# KiCad board oculink-dgff-7540.kicad_pcb
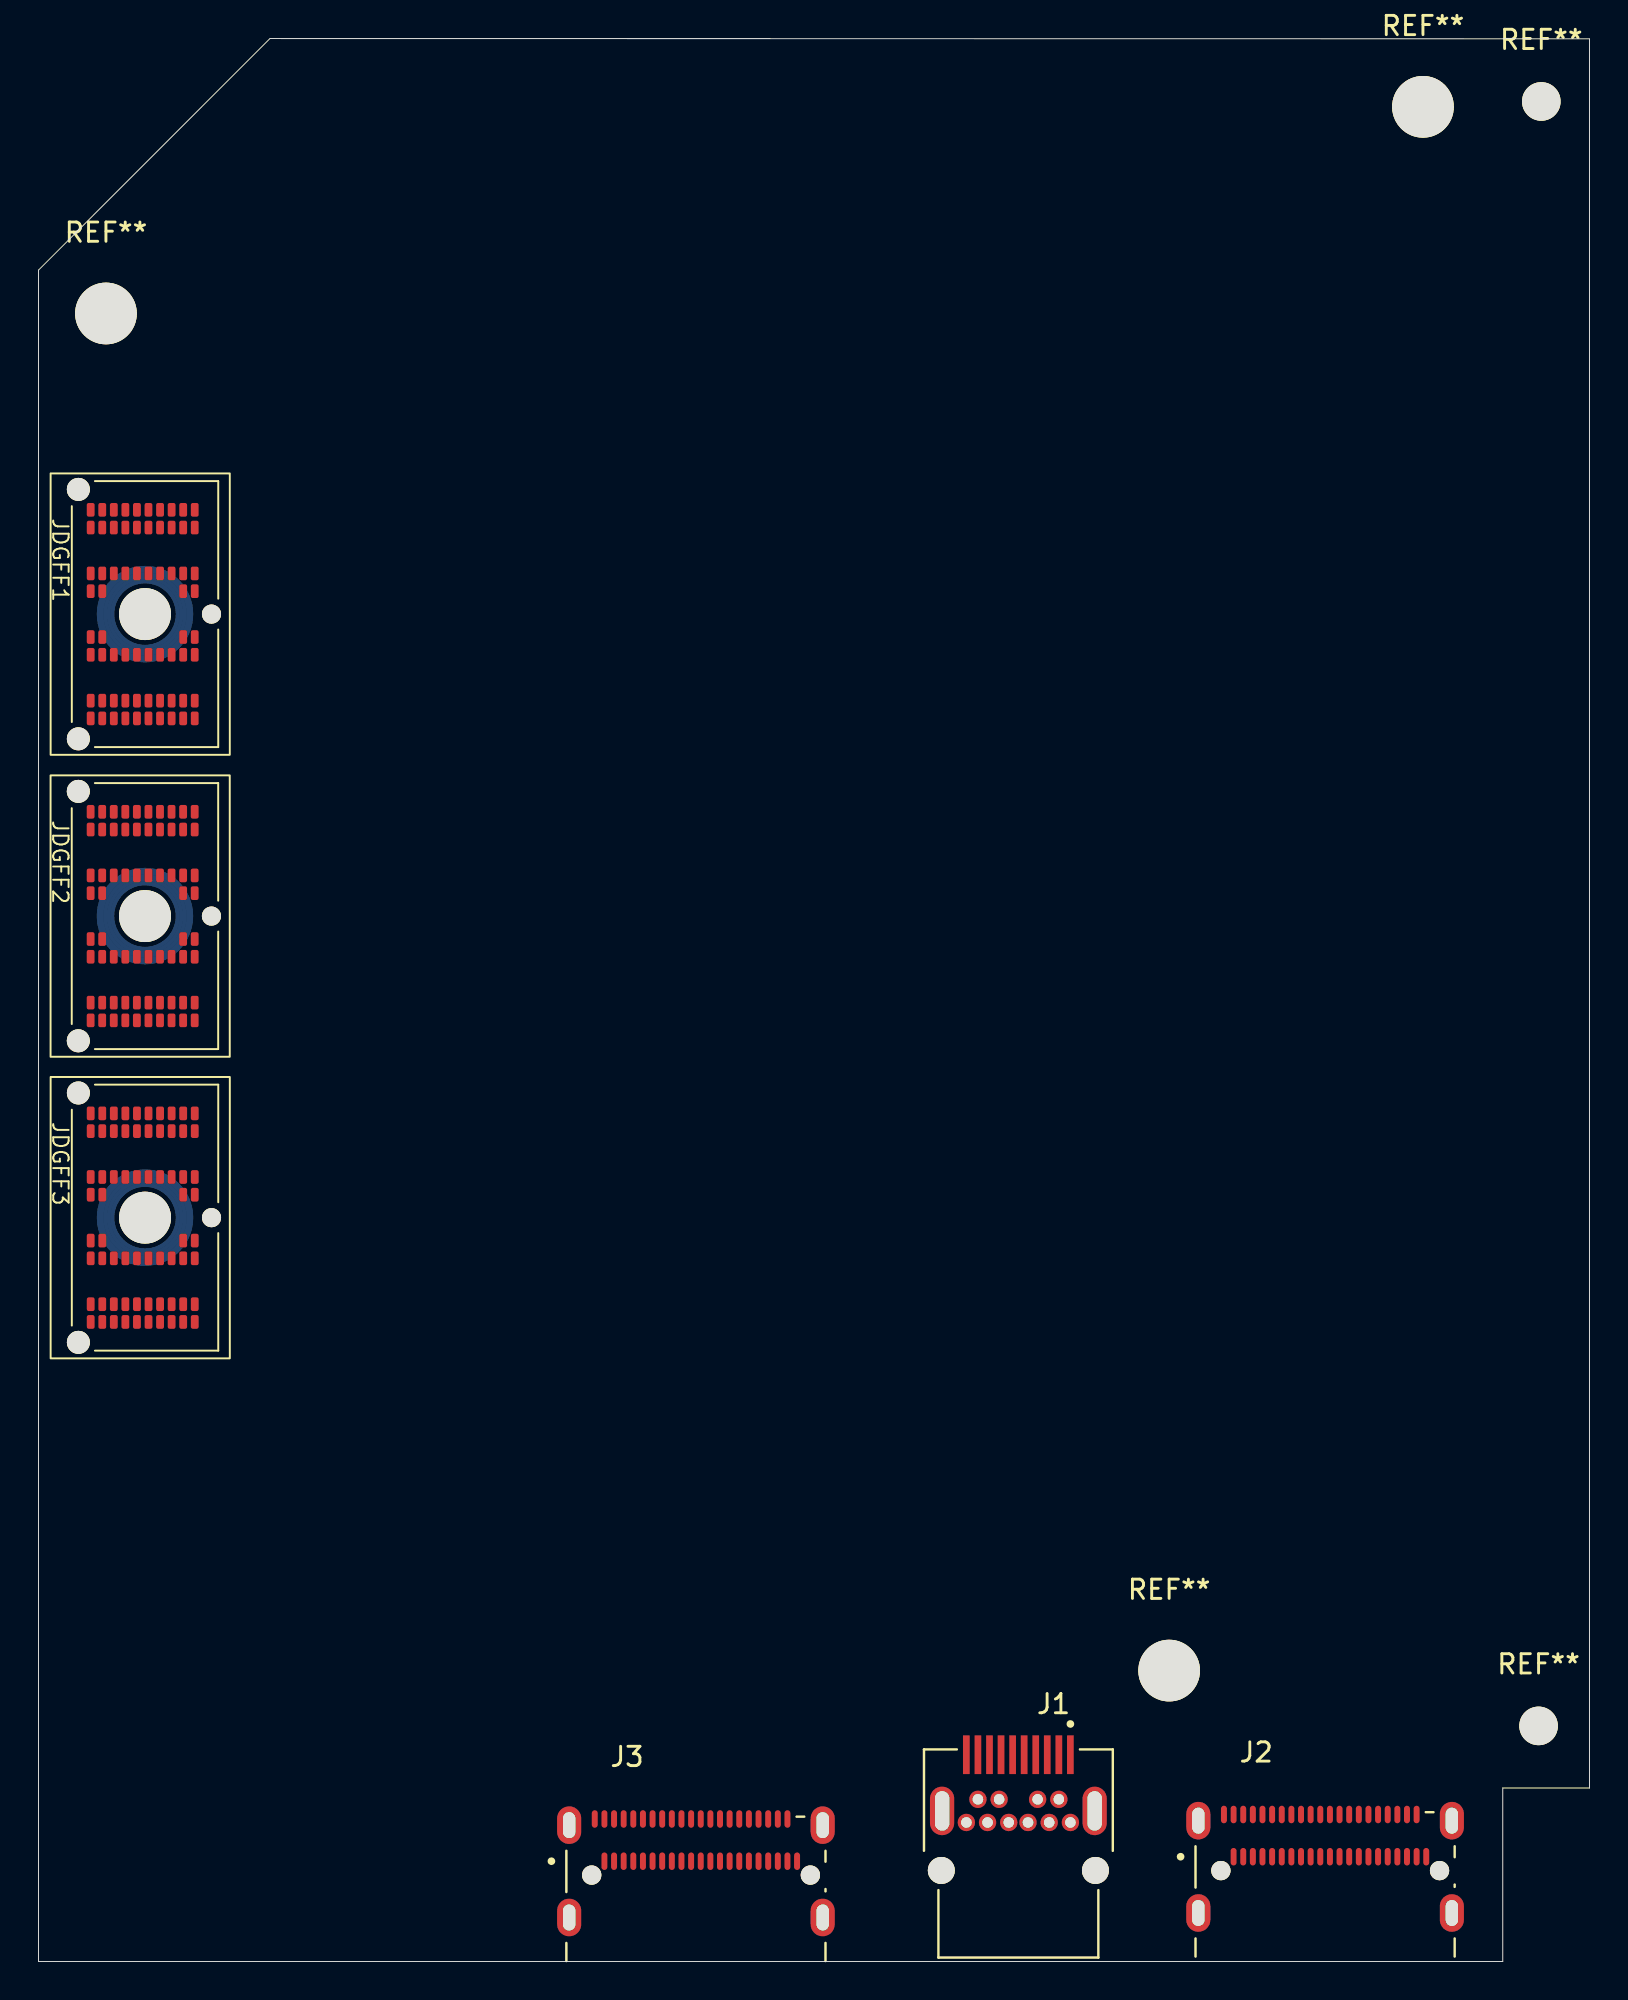
[diagram p0: board, top side]
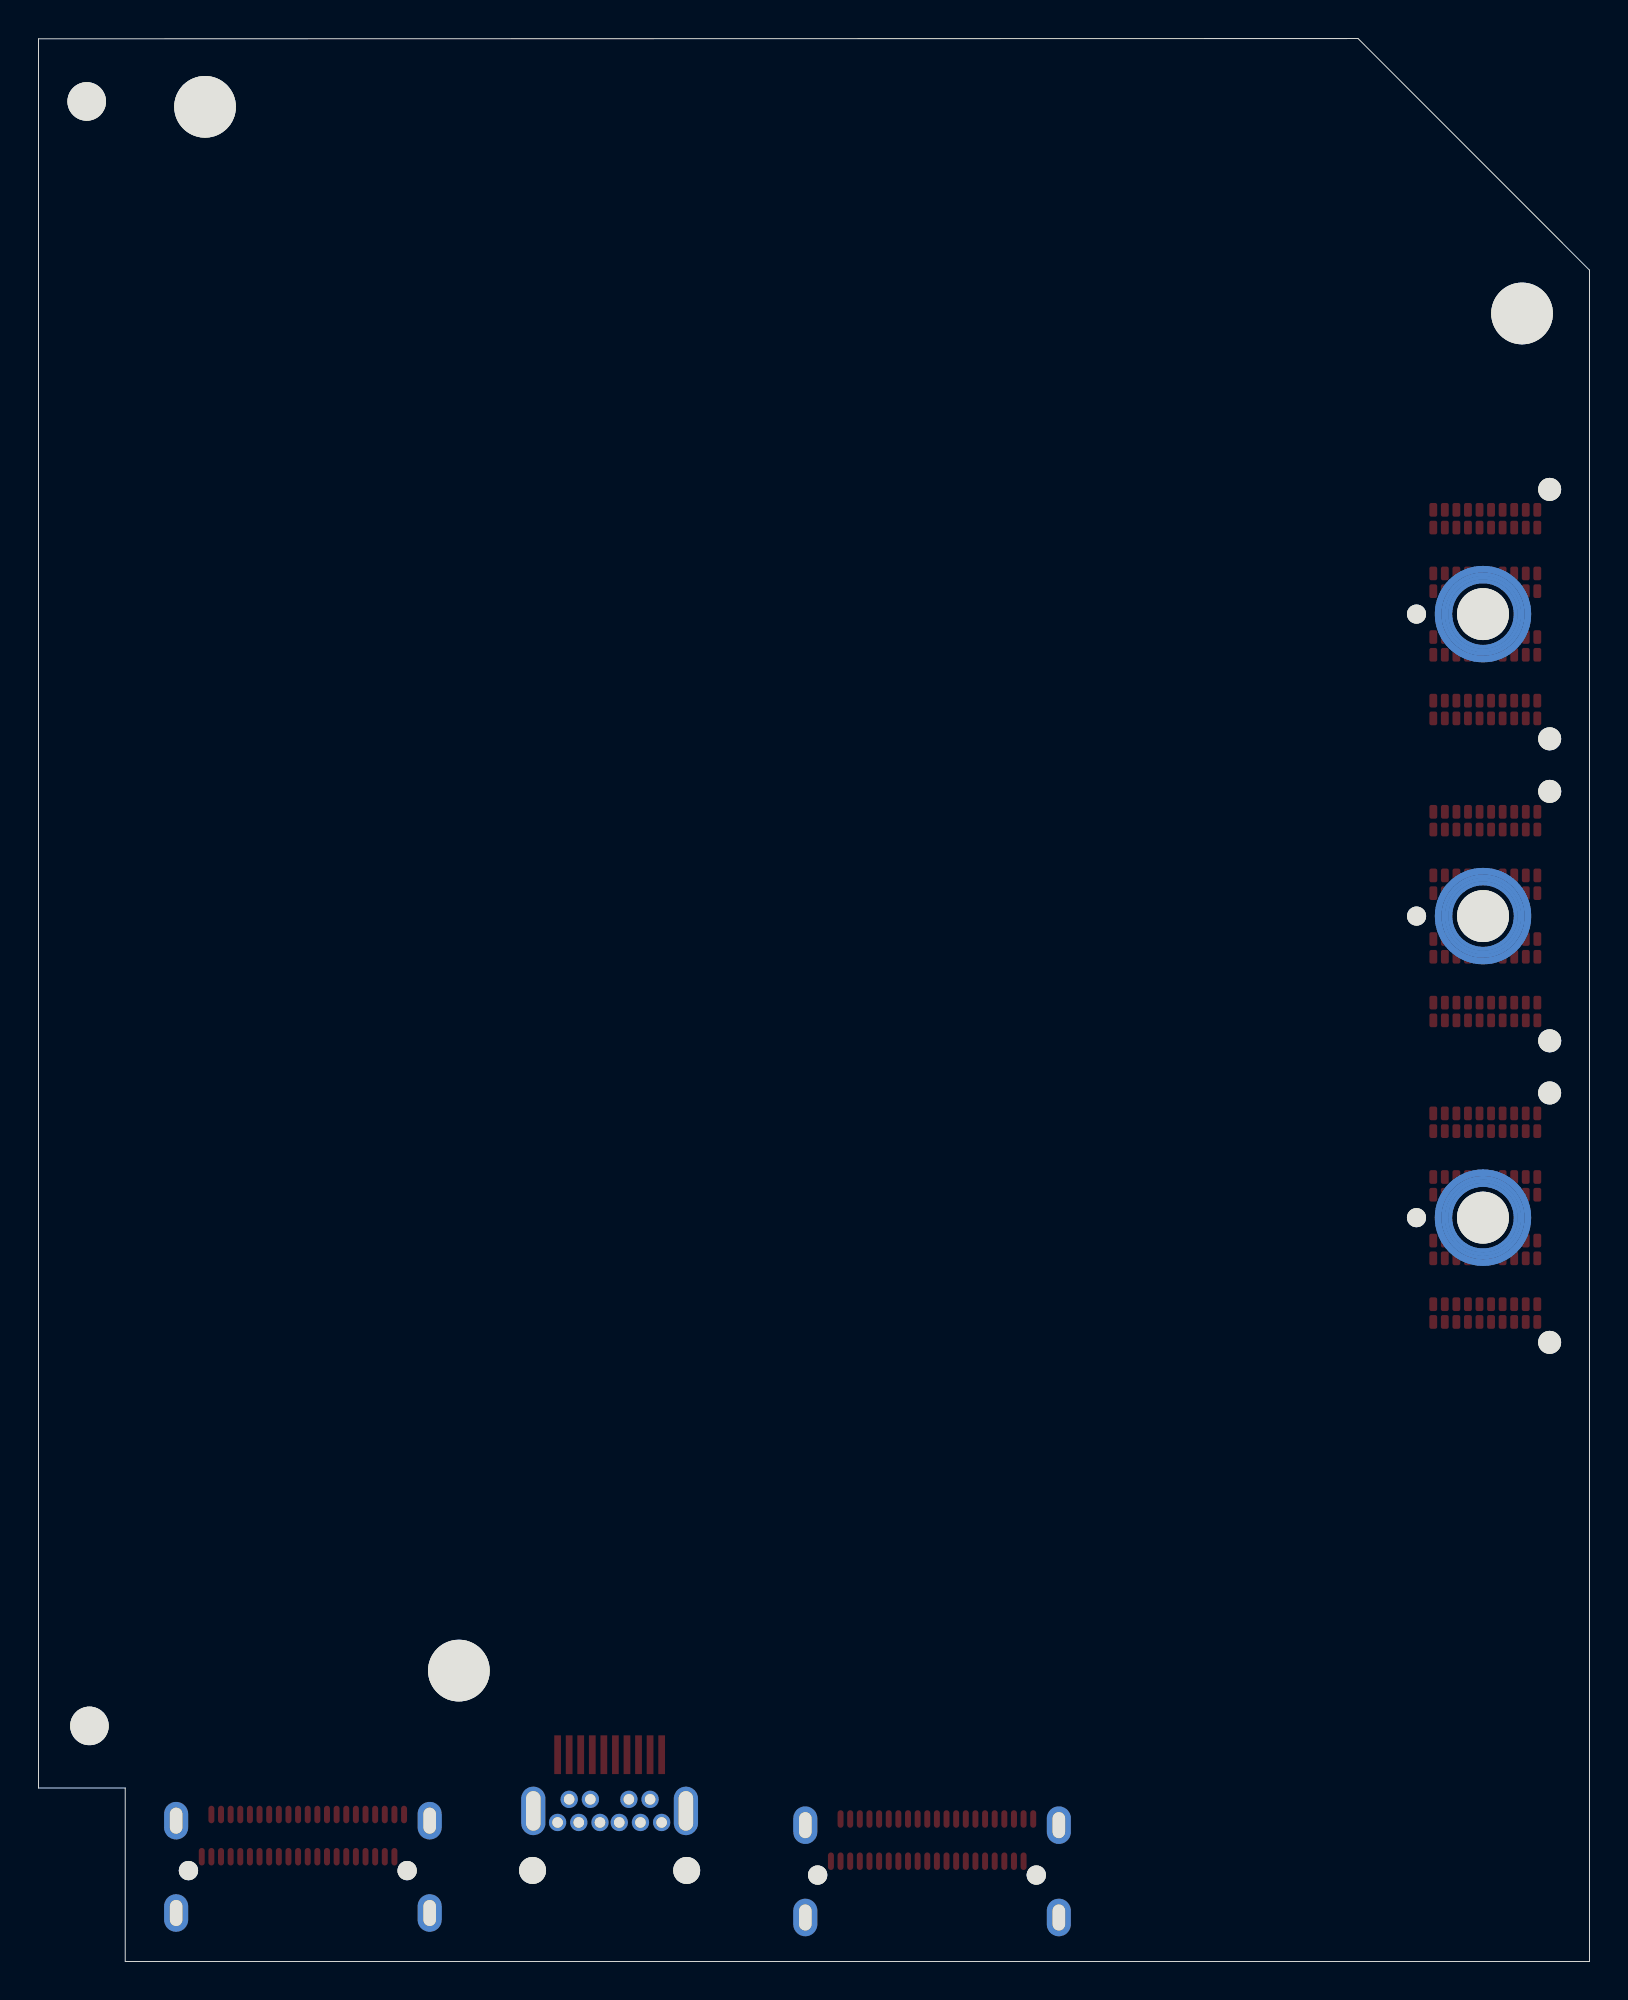
[diagram p1: board, bottom side, seen from below]

Outline 80.5 x 99.76 mm; copper layers: Top, In1.Cu, In2.Cu, In3.Cu, In4.Cu, Bottom. Coordinates in mm from the lower left corner of the outline.
Outline path: 0,87.75 0,0 76,0 76,9 80.5,9 80.5,99.75 12.01,99.76 0,87.75
Stack: Top 0.035mm / dielectric 0.1mm FR4 er 4.5 / In1.Cu 0.035mm / dielectric 0.535mm FR4 er 4.5 / In2.Cu 0.035mm / dielectric 0.1mm FR4 er 4.5 / In3.Cu 0.035mm / dielectric 0.535mm FR4 er 4.5 / In4.Cu 0.035mm / dielectric 0.1mm FR4 er 4.5 / Bottom 0.035mm

## Placement (name value [footprint] x y rotation side)
J1  E9320-001-01  [PULSE_E9320-001-01]  50.86 4.72 180 top
J2  G14A42121B12HR  [AMPHENOL_G14A42121B12HR]  66.78 4.71 0 top
J3  G14A42121B12HR  [AMPHENOL_G14A42121B12HR]  34.12 4.48 0 top
JDGFF1  FX-Beam 68P  [FXBeam_68P]  5.53 69.9 270 top
JDGFF2  FX-Beam 68P  [FXBeam_68P]  5.52 54.24 270 top
JDGFF3  FX-Beam 68P  [FXBeam_68P]  5.53 38.59 270 top
REF**  -  [MountingHole_3.2mm_M3]  3.5 85.5 0 top
REF**#2  -  [MountingHole_2mm]  77.86 12.22 0 top
REF**#3  -  [MountingHole_3.2mm_M3]  71.86 96.22 0 top
REF**#4  -  [MountingHole_3.2mm_M3]  58.68 15.09 0 top
REF**#5  -  [MountingHole_2mm]  78 96.5 0 top

## Library data of the parts
J1 = -: PARTREV: 01; MANUFACTURER: Pulse Electronics; MAXIMUM_PACKAGE_HEIGHT: 8.95 mm; STANDARD: Manufacturer Recommendations
J2 J3 = -: MF: Amphenol Commercial Products; MAXIMUM_PACKAGE_HEIGHT: 3.9mm; Package: None; Price: None; Check_prices: https://www.snapeda.com/parts/G14A42121B12HR/Amphenol/view-part/?ref=eda; STANDARD: Manufacturer Recommendations; PARTREV: D; SnapEDA_Link: https://www.snapeda.com/parts/G14A42121B12HR/Amphenol/view-part/?ref=snap; Description_1: OCULINK RECEPTACLE Right Angle SMT shell leg DIP length 2.1mm tape and reel package; Availability: In Stock; MANUFACTURER: Amphenol

## Footprints (pads in the part's own frame, mm; a bottom-side part is the same pattern mirrored in y, then rotated)
AMPHENOL_G14A42121B12HR
  round 1 hole 1 unplated: (-5.41,0) (5.94,0)
  oval 0.31x0.91 smd: A1(-4.75,0.72) A2(-4.25,0.72) A3(-3.75,0.72) A4(-3.25,0.72) A5(-2.75,0.72) A6(-2.25,0.72) A7(-1.75,0.72) A8(-1.25,0.72) A9(-0.75,0.72) A10(-0.25,0.72) A11(0.25,0.72) A12(0.75,0.72) A13(1.25,0.72) A14(1.75,0.72) A15(2.25,0.72) A16(2.75,0.72) A17(3.25,0.72) A18(3.75,0.72) A19(4.25,0.72) A20(4.75,0.72) A21(5.25,0.72) B1(-5.25,2.91) B2(-4.75,2.91) B3(-4.25,2.91) B4(-3.75,2.91) B5(-3.25,2.91) B6(-2.75,2.91) B7(-2.25,2.91) B8(-1.75,2.91) B9(-1.25,2.91) B10(-0.75,2.91) B11(-0.25,2.91) B12(0.25,2.91) B13(0.75,2.91) B14(1.25,2.91) B15(1.75,2.91) B16(2.25,2.91) B17(2.75,2.91) B18(3.25,2.91) B19(3.75,2.91) B20(4.25,2.91) B21(4.75,2.91)
  oval 1.25x1.95 hole 0.65x1.35: SH1(-6.58,2.59) SH2(6.58,2.59) SH3(-6.58,-2.2) SH4(6.58,-2.2)
FXBeam_68P
  round 1.194 hole 1.194 unplated: (-6.47,-3.46) (6.47,-3.46)
  round 0.991 hole 0.991 unplated: (0,3.45)
  round 2.692 hole 2.692 unplated: (0,0)
  rrect 0.711x0.406 smd: A1(5.41,-2.82) A2(5.41,-2.22) A3(5.41,-1.62) A4(5.41,-1.02) A5(5.41,-0.42) A6(5.41,0.18) A7(5.41,0.78) A8(5.41,1.38) A9(5.41,1.98) A10(5.41,2.58) B1(4.49,-2.82) B2(4.49,-2.22) B3(4.49,-1.62) B4(4.49,-1.02) B5(4.49,-0.42) B6(4.49,0.18) B7(4.49,0.78) B8(4.49,1.38) B9(4.49,1.98) B10(4.49,2.58) C1(2.11,-2.82) C2(2.11,-2.22) C3(2.11,-1.62) C4(2.11,-1.02) C5(2.11,-0.42) C6(2.11,0.18) C7(2.11,0.78) C8(2.11,1.38) C9(2.11,1.98) C10(2.11,2.58) D1(1.19,-2.82) D2(1.19,-2.22) D9(1.19,1.98) D10(1.19,2.58) E1(-1.19,-2.82) E2(-1.19,-2.22) E9(-1.19,1.98) E10(-1.19,2.58) F1(-2.11,-2.82) F2(-2.11,-2.22) F3(-2.11,-1.62) F4(-2.11,-1.02) F5(-2.11,-0.42) F6(-2.11,0.18) F7(-2.11,0.78) F8(-2.11,1.38) F9(-2.11,1.98) F10(-2.11,2.58) G1(-4.49,-2.82) G2(-4.49,-2.22) G3(-4.49,-1.62) G4(-4.49,-1.02) G5(-4.49,-0.42) G6(-4.49,0.18) G7(-4.49,0.78) G8(-4.49,1.38) G9(-4.49,1.98) G10(-4.49,2.58) H1(-5.41,-2.82) H2(-5.41,-2.22) H3(-5.41,-1.62) H4(-5.41,-1.02) H5(-5.41,-0.42) H6(-5.41,0.18) H7(-5.41,0.78) H8(-5.41,1.38) H9(-5.41,1.98) H10(-5.41,2.58)
MountingHole_2mm
  round 2 hole 2 unplated: (0,0)
MountingHole_3.2mm_M3
  round 3.2 hole 3.2 unplated: (0,0)
PULSE_E9320-001-01
  round 1.4 hole 1.4 unplated: (-4,0) (4,0)
  rect 0.35x2.01 smd: 1(-2.7,-6.005) 3(-2.1,-6.005) 5(-1.5,-6.005) 7(-0.9,-6.005) 9(-0.3,-6.005) 11(0.3,-6.005) 13(0.9,-6.005) 15(1.5,-6.005) 17(2.1,-6.005) 19(2.7,-6.005)
  round 0.9 hole 0.55: 2(-2.7,-2.49) 4(-2.1,-3.69) 6(-1.6,-2.49) 8(-1,-3.69) 10(-0.5,-2.49) 12(0.5,-2.49) 14(1,-3.69) 16(1.6,-2.49) 18(2.1,-3.69) 20(2.7,-2.49)
  oval 1.258x2.516 hole 0.75x2.05: S1(-3.96,-3.09) S2(3.96,-3.09)

## Nets
Net-(J2-SHIELD-PadSH1): J2.SH1 J2.SH2 J2.SH3 J2.SH4
Net-(J3-SHIELD-PadSH1): J3.SH1 J3.SH2 J3.SH3 J3.SH4

Pads without a net: J1 1 2 3 4 5 6 7 8 9 10 11 12 13 14 15 16 17 18 19 20 S1 S2; J2 A1 A2 A3 A4 A5 A6 A7 A8 A9 A10 A11 A12 A13 A14 A15 A16 A17 A18 A19 A20 A21 B1 B2 B3 B4 B5 B6 B7 B8 B9 B10 B11 B12 B13 B14 B15 B16 B17 B18 B19 B20 B21; J3 A1 A2 A3 A4 A5 A6 A7 A8 A9 A10 A11 A12 A13 A14 A15 A16 A17 A18 A19 A20 A21 B1 B2 B3 B4 B5 B6 B7 B8 B9 B10 B11 B12 B13 B14 B15 B16 B17 B18 B19 B20 B21; JDGFF1 A1 A2 A3 A4 A5 A6 A7 A8 A9 A10 B1 B2 B3 B4 B5 B6 B7 B8 B9 B10 C1 C2 C3 C4 C5 C6 C7 C8 C9 C10 D1 D2 D9 D10 E1 E2 E9 E10 F1 F2 F3 F4 F5 F6 F7 F8 F9 F10 G1 G2 G3 G4 G5 G6 G7 G8 G9 G10 H1 H2 H3 H4 H5 H6 H7 H8 H9 H10; JDGFF2 A1 A2 A3 A4 A5 A6 A7 A8 A9 A10 B1 B2 B3 B4 B5 B6 B7 B8 B9 B10 C1 C2 C3 C4 C5 C6 C7 C8 C9 C10 D1 D2 D9 D10 E1 E2 E9 E10 F1 F2 F3 F4 F5 F6 F7 F8 F9 F10 G1 G2 G3 G4 G5 G6 G7 G8 G9 G10 H1 H2 H3 H4 H5 H6 H7 H8 H9 H10; JDGFF3 A1 A2 A3 A4 A5 A6 A7 A8 A9 A10 B1 B2 B3 B4 B5 B6 B7 B8 B9 B10 C1 C2 C3 C4 C5 C6 C7 C8 C9 C10 D1 D2 D9 D10 E1 E2 E9 E10 F1 F2 F3 F4 F5 F6 F7 F8 F9 F10 G1 G2 G3 G4 G5 G6 G7 G8 G9 G10 H1 H2 H3 H4 H5 H6 H7 H8 H9 H10
